# KiCad board 4-ch-backplane.kicad_pcb (continued)
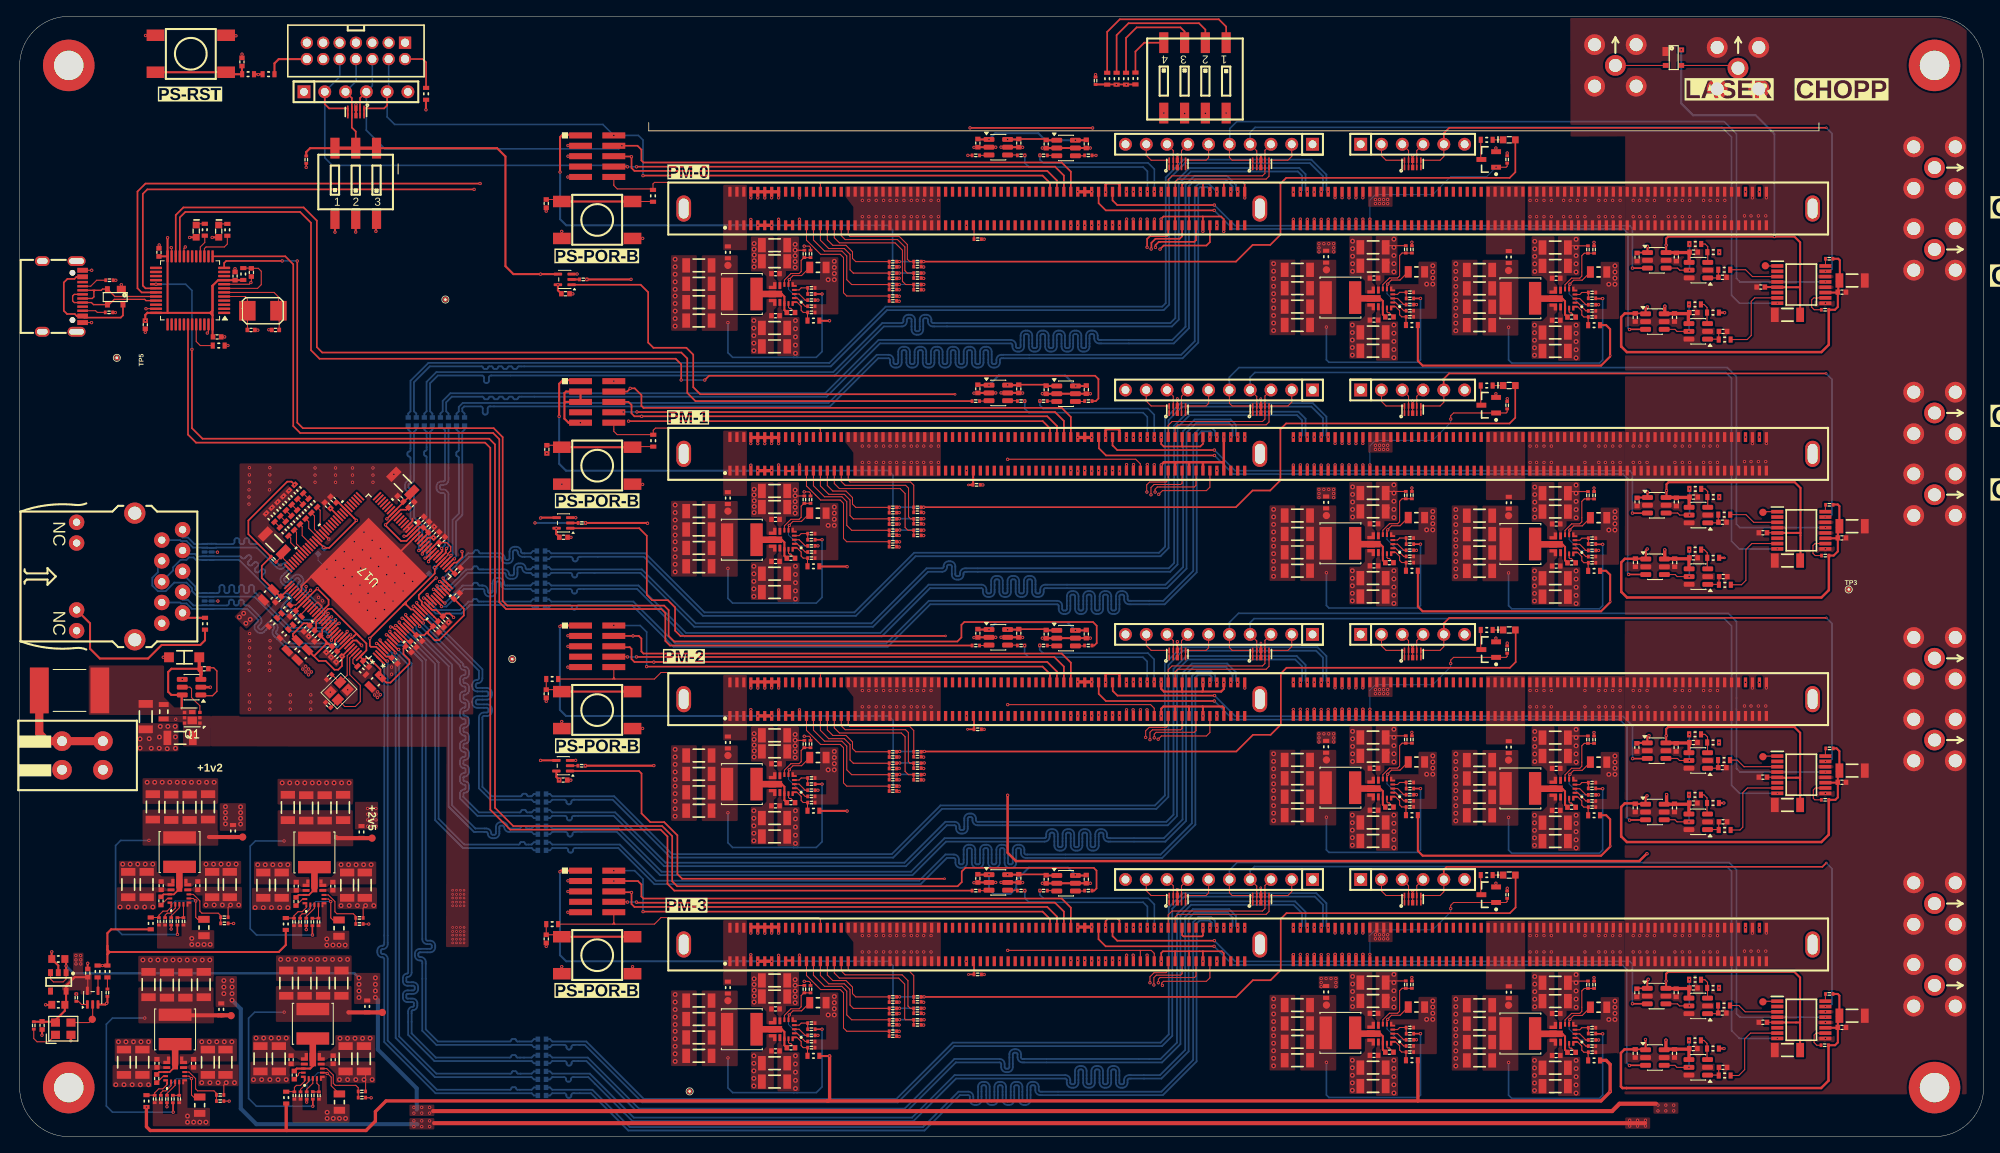
[diagram p0: board, top side]
## Nets (continued)
/TOP_LEVEL_IO/SPEEDY_PM__INST/PWR/PWR_VIN: C1.2 C3.2 C4.2 C6.2 C7.2 C8.2 C9.2 C10.2 C11.2 C12.2 C13.2 C14.2 C15.2 C16.2 C17.2 C18.2 C19.2 C20.2 C21.2 C22.2 C23.2 C24.2 C25.2 C26.2 C27.2 C35.2 C37.2 C38.2 C39.2 C40.2 C41.2 C42.2 C43.2 C47.2 C48.2 C50.2 C51.2 C52.2 C53.2 C54.2 C55.2 C56.2 C57.2 C58.2 C59.2 C60.2 C61.2 C62.2 C63.2 C64.2 C65.2 C66.2 C67.2 C74.2 C75.2 C84.2 C85.2 C114.2 C115.2 C126.2 C138.2 C228.2 C229.2 C230.2 C231.2 C232.2 C233.2 C234.2 C235.2 C236.2 C237.2 C238.2 C239.2 C240.2 C241.2 C242.2 C243.2 C244.2 C245.2 C273.2 C274.2 C275.2 C276.2 C277.2 C278.2 C279.2 C280.2 C281.2 C282.2 C283.2 C284.2 C285.2 C286.2 C287.2 C288.2 C289.2 C290.2 Q1.1 Q1.2 Q1.5 Q1.6 Q1.7 R37.2 R38.2 R39.2 R40.2 R41.2 R42.2 R43.2 R44.2 R48.2 R63.2 R127.2 R175.2 R176.2 R177.2 R213.2 R214.2 R215.2 U1.4 U2.8 U2.12 U3.8 U3.12 U18.8 U18.12 U19.8 U19.12 U20.8 U20.12 U21.8 U21.12 U22.8 U22.12 U23.8 U23.12 U24.8 U24.12 U25.8 U25.12 U30.8 U30.12 U31.8 U31.12 U32.8 U32.12 U36.8 U36.12 U37.8 U37.12 U38.8 U38.12
/TOP_LEVEL_IO/SPEEDY_PM__INST/PWR/TPS543620_BUCK_2V4/FB: R60.2 R123.1 U19.4
/TOP_LEVEL_IO/SPEEDY_PM__INST/PWR/TPS543620_BUCK_2V4/L+: C68.1 L4.1 U19.10 U19.13
/TOP_LEVEL_IO/SPEEDY_PM__INST/PWR/TPS543620_BUCK_2V4/L-: C76.2 C89.2 C98.2 C107.2 L4.2 R83.1 R123.2 TP7.1
/TOP_LEVEL_IO/SPEEDY_PM__INST/PWR/TPS543620_BUCK_2V4/MODE: R69.2 U19.2
/TOP_LEVEL_IO/SPEEDY_PM__INST/PWR/TPS543620_BUCK_5V0_CONN/FB: R59.1 R62.2 U21.4
/TOP_LEVEL_IO/SPEEDY_PM__INST/PWR/TPS543620_BUCK_5V0_CONN/L+: C92.1 L6.1 U21.10 U21.13
/TOP_LEVEL_IO/SPEEDY_PM__INST/PWR/TPS543620_BUCK_5V0_CONN/L-: C78.2 C91.2 C100.2 C109.2 L6.2 R59.2 R85.1 TP9.1
/TOP_LEVEL_IO/SPEEDY_PM__INST/PWR/TPS543620_BUCK_5V0_CONN/MODE: R88.2 U21.2
/TOP_LEVEL_IO/SPEEDY_PM__INST/PWR/TPS543620_BUCK_5V0_PGA/FB: R61.2 R81.1 U20.4
/TOP_LEVEL_IO/SPEEDY_PM__INST/PWR/TPS543620_BUCK_5V0_PGA/L+: C80.1 L5.1 U20.10 U20.13
/TOP_LEVEL_IO/SPEEDY_PM__INST/PWR/TPS543620_BUCK_5V0_PGA/L-: C77.2 C90.2 C99.2 C108.2 L5.2 R81.2 R82.1 TP8.1
/TOP_LEVEL_IO/SPEEDY_PM__INST/PWR/TPS543620_BUCK_5V0_PGA/MODE: R76.2 U20.2
/TOP_LEVEL_IO/SPEEDY_PM__INST/SPI_CS/MIO1: J7.14 R272.1 R273.1
/TOP_LEVEL_IO/SPEEDY_PM__INST/SPI_DQ0/BOOT_MODE[3]/MIO2: J7.15 R244.1 R248.1
/TOP_LEVEL_IO/SPEEDY_PM__INST/SPI_DQ1/BOOT_MODE[1]/MIO3: J7.13 R270.1 R271.1
/TOP_LEVEL_IO/SPEEDY_PM__INST/SPI_DQ2/BOOT_MODE[2]/MIO4: J7.12 R268.1 R269.1
/TOP_LEVEL_IO/SPEEDY_PM__INST/SPI_DQ3/BOOT_MODE[0]/MIO5: J7.17 R260.1 R261.1
/TOP_LEVEL_IO/SPEEDY_PM__INST/SPI_SCK/BOOT_MODE[4]/MIO6: J7.16 R252.1 R253.1
/TOP_LEVEL_IO/SPEEDY_PM__INST/SPI_SCLK_FB/VMODE[1]/MIO8: J7.18 R292.1 R293.1
/TOP_LEVEL_IO/SPEEDY_PM__INST/TRIGGER_IN_0: D6.1 D6.10 J7.51 J16.9
/TOP_LEVEL_IO/SPEEDY_PM__INST/TRIGGER_IN_1: D6.2 D6.9 J7.53 J16.8
/TOP_LEVEL_IO/SPEEDY_PM__INST/TRIGGER_OUT_0: D6.4 D6.7 J7.55 J16.7
/TOP_LEVEL_IO/SPEEDY_PM__INST/TRIGGER_OUT_1: D6.5 D6.6 J7.57 J16.6
/TOP_LEVEL_IO/SPEEDY_PM__INST/TTC0_IN: D5.5 D5.6 J7.209 J16.2
/TOP_LEVEL_IO/SPEEDY_PM__INST/TTC0_OUT: D5.4 D5.7 J7.208 J16.3
/TOP_LEVEL_IO/SPEEDY_PM__INST/UART_LS/RX_OUT: J7.206 R305.2
/TOP_LEVEL_IO/SPEEDY_PM__INST/UART_LS/TX_IN: J7.205 R300.2
/TOP_LEVEL_IO/TCK: D4.2 D4.9 J2.6 J7.194 J9.194 J11.194 J13.4 J15.4 J24.4 J35.194 J37.4 J40.4
/TOP_LEVEL_IO/TDI_0: D4.5 D4.6 J2.10 J7.193 J13.8 J24.2
/TOP_LEVEL_IO/TDI_1: J1.5 J7.192 J9.193 J13.6 J15.8 R318.1
/TOP_LEVEL_IO/TDI_2: J1.3 J9.192 J11.193 J15.6 J37.8 R319.1
/TOP_LEVEL_IO/TDI_3: J1.1 J11.192 J35.193 J37.6 J40.8 R320.1
/TOP_LEVEL_IO/TDO_3: J35.192 J40.6 R321.1
/TOP_LEVEL_IO/TDO_JTAG: D4.4 D4.7 J1.2 J1.4 J1.6 J2.8 J24.3 R321.2 U39.4 U40.4 U41.4
/TOP_LEVEL_IO/TMS: D4.1 D4.10 J2.4 J7.191 J9.191 J11.191 J13.2 J15.2 J24.5 J35.191 J37.2 J40.2
/TOP_LEVEL_IO/TXD_OUT_0: R304.1 U42.30
/TOP_LEVEL_IO/TXD_OUT_1: R309.1 U42.21
/TOP_LEVEL_IO/TXD_OUT_2: R313.1 U42.12
/TOP_LEVEL_IO/TXD_OUT_3: R317.1 U42.29
Net-(C154-1-Pad2): C154.2 R45.2 SW8.B
Net-(C168-1-Pad2): C168.2 C169.2 C172.2 C173.2 C174.2 C175.2 C176.2 C177.2 C178.2 FB2.2 U17.3 U17.14 U17.19 U17.30 U17.36 U17.41 U17.114 U17.119 U17.124
Net-(C170-1-Pad2): C170.2 R3.1 SW6.B
Net-(C171-1-Pad2): C171.2 R4.1 SW7.B
Net-(C179-1-Pad2): C179.2 C180.2 C181.2 C182.2 C183.2 C184.2 C185.2 C186.2 C187.2 FB3.2 U17.11 U17.23 U17.45 U17.48 U17.56 U17.71 U17.84 U17.104 U17.110
Net-(C188-1-Pad2): C188.2 C189.2 C190.2 C191.2 C192.2 C193.2 C194.2 FB1.2 U17.10 U17.22 U17.33 U17.44 U17.111 U17.122 U17.128
Net-(C222-1-Pad2): C222.2 R153.1 SW11.B
Net-(C267-1-Pad2): C267.2 R191.1 SW13.B
Net-(D14-PadC): D14.C R26.2
Net-(D15-PadC): D15.C R27.2
Net-(D18-PadC): D18.C R151.2
Net-(D21-PadC): D21.C R189.2
Net-(D34-PadC): D34.C R301.2
Net-(D35-PadC): D35.C R302.2
Net-(J6-VCC): J6.9 R96.1
Net-(Q4-D): Q4.3 R26.1
Net-(Q5-D): Q5.3 R27.1
Net-(Q6-D): Q6.3 R151.1
Net-(Q7-D): Q7.3 R189.1
Net-(R68-Pad2): R68.2 R71.1
Net-(R133-Pad2): R133.2 R141.1
Net-(R134-Pad2): R134.2 R142.1
Net-(R135-Pad2): R135.2 R143.1
Net-(R136-Pad2): R136.2 R144.1
Net-(R137-Pad2): R137.2 R145.1
Net-(R138-Pad2): R138.2 R146.1
Net-(R139-Pad2): R139.2 R147.1
Net-(R148-Pad1): R148.1 R149.2
Net-(SW1-A1): R235.1 SW1.1
Net-(SW1-A2): R236.1 SW1.3
Net-(SW1-A3): R237.1 SW1.5
Net-(SW1-A4): R238.1 SW1.7
Net-(U1-ANODE): C36.2 C127.2 D1.2 FU1.2 Q1.4 Q1.8 R127.1 U1.3 U1.6
Net-(U1-VCAP): C127.1 U1.1
Net-(U2-BOOT): C117.1 U2.14
Net-(U2-EN): R32.2 R44.1 U2.7
Net-(U2-PGOOD): R98.2 U2.3
Net-(U2-SYNC/FSEL): R75.2 R104.2 U2.1
Net-(U3-BOOT): C129.1 U3.14
Net-(U3-EN): R33.2 R48.1 U3.7
Net-(U3-PGOOD): R99.2 U3.3
Net-(U3-SYNC/FSEL): R87.2 R110.2 U3.1
Net-(U4-B): R231.2 U4.4 U43.5
Net-(U5-+): R17.2 R18.1 U5.3
Net-(U5--): C330.2 R227.2 U5.1
Net-(U5-OUT): R18.2 U5.5 U8.4
Net-(U7-+): R19.1 R20.2 U7.3
Net-(U7--): C331.2 R228.2 U7.1
Net-(U7-OUT): R19.2 U7.5 U9.4
Net-(U13-Y): R70.1 U13.4
Net-(U13-~{OE}): R16.1 U13.1
Net-(U17A-ISET): R150.2 U17.127
Net-(U17A-RESET_N): C72.2 R13.1 U17.95
Net-(U17A-XI): C252.2 U17.126 Y2.3
Net-(U17A-XO): C251.2 U17.125 Y2.1
Net-(U18-BOOT): C141.1 U18.14
Net-(U18-EN): R34.2 R63.1 U18.7
Net-(U18-PGOOD): R107.2 U18.3
Net-(U18-SYNC/FSEL): R94.2 R119.2 U18.1
Net-(U19-BOOT): C68.2 U19.14
Net-(U19-BP5): C31.2 R36.2 U19.6
Net-(U19-EN): R7.2 R37.1 U19.7
Net-(U19-PGOOD): R36.1 U19.3
Net-(U19-SYNC/FSEL): R24.2 R67.2 U19.1
Net-(U20-BOOT): C80.2 U20.14
Net-(U20-BP5): C32.2 R46.2 U20.6
Net-(U20-EN): R10.2 R38.1 U20.7
Net-(U20-PGOOD): R46.1 U20.3
Net-(U20-SYNC/FSEL): R25.2 R73.2 U20.1
Net-(U21-BOOT): C92.2 U21.14
Net-(U21-BP5): C33.2 R49.2 U21.6
Net-(U21-EN): R11.2 R39.1 U21.7
Net-(U21-PGOOD): R49.1 U21.3
Net-(U21-SYNC/FSEL): R86.2 R108.2 U21.1
Net-(U22-BOOT): C104.2 U22.14
Net-(U22-BP5): C34.2 R50.2 U22.6
Net-(U22-EN): R12.2 R40.1 U22.7
Net-(U22-PGOOD): R50.1 U22.3
Net-(U22-SYNC/FSEL): R93.2 R115.2 U22.1
Net-(U23-BOOT): C164.2 U23.14
Net-(U23-BP5): C44.2 R51.2 U23.6
Net-(U23-EN): R14.2 R41.1 U23.7
Net-(U23-PGOOD): R51.1 U23.3
Net-(U23-SYNC/FSEL): R116.2 R120.2 U23.1
Net-(U24-BOOT): C165.2 U24.14
Net-(U24-BP5): C45.2 R52.2 U24.6
Net-(U24-EN): R15.2 R42.1 U24.7
Net-(U24-PGOOD): R52.1 U24.3
Net-(U24-SYNC/FSEL): R121.2 R124.2 U24.1
Net-(U25-BOOT): C166.2 U25.14
Net-(U25-BP5): C46.2 R53.2 U25.6
Net-(U25-EN): R21.2 R43.1 U25.7
Net-(U25-PGOOD): R53.1 U25.3
Net-(U25-SYNC/FSEL): R125.2 R132.2 U25.1
Net-(U27-B): R233.2 U27.4 U45.5
Net-(U28-B): R163.2 U28.4 U29.5
Net-(U29-+): R163.1 R164.2 U29.3
Net-(U29--): C332.2 R229.2 U29.1
Net-(U30-BOOT): C246.2 U30.14
Net-(U30-BP5): C253.2 R181.2 U30.6
Net-(U30-EN): R175.1 R180.2 U30.7
Net-(U30-PGOOD): R181.1 U30.3
Net-(U30-SYNC/FSEL): R167.2 R169.2 U30.1
Net-(U31-BOOT): C247.2 U31.14
Net-(U31-BP5): C249.2 R182.2 U31.6
Net-(U31-EN): R176.1 R178.2 U31.7
Net-(U31-PGOOD): R182.1 U31.3
Net-(U31-SYNC/FSEL): R168.2 R170.2 U31.1
Net-(U32-BOOT): C248.2 U32.14
Net-(U32-BP5): C250.2 R183.2 U32.6
Net-(U32-EN): R177.1 R179.2 U32.7
Net-(U32-PGOOD): R183.1 U32.3
Net-(U32-SYNC/FSEL): R166.2 R171.2 U32.1
Net-(U33-B): R234.2 U33.4 U46.5
Net-(U34-B): R201.2 U34.4 U35.5
Net-(U35-+): R201.1 R202.2 U35.3
Net-(U35--): C333.2 R230.2 U35.1
Net-(U36-BOOT): C291.2 U36.14
Net-(U36-BP5): C296.2 R219.2 U36.6
Net-(U36-EN): R213.1 R218.2 U36.7
Net-(U36-PGOOD): R219.1 U36.3
Net-(U36-SYNC/FSEL): R205.2 R207.2 U36.1
Net-(U37-BOOT): C292.2 U37.14
Net-(U37-BP5): C294.2 R220.2 U37.6
Net-(U37-EN): R214.1 R216.2 U37.7
Net-(U37-PGOOD): R220.1 U37.3
Net-(U37-SYNC/FSEL): R206.2 R208.2 U37.1
Net-(U38-BOOT): C293.2 U38.14
Net-(U38-BP5): C295.2 R221.2 U38.6
Net-(U38-EN): R215.1 R217.2 U38.7
Net-(U38-PGOOD): R221.1 U38.3
Net-(U38-SYNC/FSEL): R204.2 R209.2 U38.1
Net-(U39-A): R318.2 U39.2
Net-(U40-A): R319.2 U40.2
Net-(U41-A): R320.2 U41.2
Net-(U42-RESET): C318.2 R140.1 U42.7
Net-(U42-RX_S): R302.1 U42.16
Net-(U42-TEST): R8.2 U42.44
Net-(U42-TX_S): R301.1 U42.15
Net-(U42-UD+): U42.33 U51.3 USB2.A6 USB2.B6
Net-(U42-UD-): U42.32 U51.2 USB2.A7 USB2.B7
Net-(U42-XI): C316.2 U42.5 X1.1
Net-(U42-XO): C317.2 U42.6 X1.2
Net-(U43-+): R22.2 R231.1 U43.3
Net-(U43--): C326.2 R193.2 U43.1
Net-(U44-+): R35.2 R232.1 U44.3
Net-(U44--): C327.2 R194.2 U44.1
Net-(U44-OUT): R232.2 U6.4 U44.5
Net-(U45-+): R165.2 R233.1 U45.3
Net-(U45--): C328.2 R225.2 U45.1
Net-(U46-+): R203.2 R234.1 U46.3
Net-(U46--): C329.2 R226.2 U46.1
Net-(U47-GAIN): R47.1 U47.10
Net-(U47-RSTSEL): R156.1 U47.16
Net-(U47-VREF): TP24.1 U47.1
Net-(U48-GAIN): R128.1 U48.10
Net-(U48-RSTSEL): R187.1 U48.16
Net-(U48-VREF): TP25.1 U48.1
Net-(U49-GAIN): R154.1 U49.10
Net-(U49-RSTSEL): R188.1 U49.16
Net-(U49-VREF): TP26.1 U49.1
Net-(U50-GAIN): R155.1 U50.10
Net-(U50-RSTSEL): R192.1 U50.16
Net-(U50-VREF): TP27.1 U50.1
Net-(U52-A): R303.2 U52.3
Net-(U52-B): R300.1 U52.4
Net-(U53-A): R305.1 U53.3
Net-(U53-B): R304.2 U53.4
Net-(U54-A): R308.2 U54.3
Net-(U54-B): R306.1 U54.4
Net-(U55-A): R307.1 U55.3
Net-(U55-B): R309.2 U55.4
Net-(U56-A): R312.2 U56.3
Net-(U56-B): R310.1 U56.4
Net-(U57-A): R311.1 U57.3
Net-(U57-B): R313.2 U57.4
Net-(U58-A): R316.2 U58.3
Net-(U58-B): R314.1 U58.4
Net-(U59-A): R315.1 U59.3
Net-(U59-B): R317.2 U59.4
Net-(USB2-CC1): R242.2 USB2.A5
Net-(USB2-CC2): R243.2 USB2.B5
Net-(Y1-OE): R23.1 Y1.1

Pads without a net: J2 12; J7 0 32 33 37 38 39 40 41 42 43 44 45 46 47 48 49 88 89 90 91 92 93 94 95 96 97 98 99 100 101 102 103 153 154 156 157 159 160 161 176 177 178 179 180 181 182 183 184 185 186 190 211 212 235 236 237 238 239 240 241 242 243 246 247; J9 0 32 33 37 38 39 40 41 42 43 44 45 46 47 48 49 88 89 90 91 92 93 94 95 96 97 98 99 100 101 102 103 153 154 156 157 159 160 161 176 177 178 179 180 181 182 183 184 185 186 190 211 212 235 236 237 238 239 240 241 242 243 246 247; J11 0 32 33 37 38 39 40 41 42 43 44 45 46 47 48 49 88 89 90 91 92 93 94 95 96 97 98 99 100 101 102 103 153 154 156 157 159 160 161 176 177 178 179 180 181 182 183 184 185 186 190 211 212 235 236 237 238 239 240 241 242 243 246 247; J13 7; J15 7; J35 0 32 33 37 38 39 40 41 42 43 44 45 46 47 48 49 88 89 90 91 92 93 94 95 96 97 98 99 100 101 102 103 153 154 156 157 159 160 161 176 177 178 179 180 181 182 183 184 185 186 190 211 212 235 236 237 238 239 240 241 242 243 246 247; J37 7; J40 7; M1 1; M2 1; M3 1; M4 1; U10 4; U17 46 52 53 54 55 58 59 60 61 62 65 66 75 76 87 88 91 92 93 94 96 97 99 100 108; U42 1 2 3 4 10 11 14 17 18 19 25 26 27 28 34 37 38 39 40 41 43 45 46; U47 2 6; U48 2 6; U49 2 6; U50 2 6; USB2 A8 B8

## Via types
v1: diameter 0.4, hole 0.2, Top Layer to Bottom Layer, 1243 vias
v2: diameter 0.6, hole 0.3, Top Layer to Bottom Layer, 599 vias
v3: diameter 0.3, hole 0.15, Top Layer to Bottom Layer, 73 vias
v4: diameter 0.3, hole 0.1, Top Layer to Bottom Layer, 1 via

## Routing (per net, layer and track width the routed paths; a pad name or vN(x,y) marks a point on that pad's centre or on a via; arc(x,y) is an arc through that point)
+1V2: length 23.1
  In1.Cu w1: v1(34.95,56.82) 33.97,55.85 28.4,55.85 27,54.45 v2(27,40.32)
  vias: v1(34.6,57.17) v1(34.95,57.53) v1(35.3,57.18) v1(35.3,56.47) v1(35.65,56.83) v2(25.15,40.35) v2(25.15,39.65) v2(25.15,38.95) v2(25.15,38.25) v2(27,39.62) v2(27,38.92) v2(27,38.22)
+1V8: length 877.2
  Top Layer w0.12: 122.04,91.9 C339.2 ; 132.88,128.68 R235.2 132.93,128.68 ; 198.93,108.88 v1(198.92,108.89) ; 125.48,61.91 C344.2 ; 136.91,22.78 138.29,22.78 138.65,22.42 J35.62 ; 136.91,22.78 120.68,22.78 ; 136.91,22.78 136.95,22.74 J35.60 ; 125.48,31.94 C348.2 ; 197.7,108.11 C82.2 ; v1(120.72,82.83) 120.74,82.84 136.38,82.84 136.95,82.28 J9.60 ; 125.33,122 C336.2 125.48,121.85 ; 222,104.59 222.27,104.86 ; 198.64,100.67 U4.1 ; 125.48,91.8 C340.2 ; 222,44.65 222.27,44.92 ; 222,14.67 222.27,14.95 ; 122.04,32.04 C347.2 ; 122.04,121.95 C335.2 ; 197.7,78.16 C93.2 ; v1(120.75,52.83) 138.2,52.83 138.65,52.39 J11.62 ; 198.66,70.69 U6.1 ; 222,74.54 222.27,74.81 ; 122.04,62.01 C343.2
  Top Layer w0.2: C268.2 198.64,10.67 U33.1 ; R238.2 132.93,128.68 ; C151.2 198.64,100.67 ; C335.2 125.33,122 ; C269.2 197.67,18.14 U34.1 ; 122.09,91.96 125.33,91.96 ; U8.1 197.7,108.11 ; 122.09,62.06 125.33,62.06 ; 122.09,32.07 125.33,32.07
  Top Layer w0.25: R47.2 221.83,101.12 222.18,101.47 C219.2 ; U54.6 122.04,91.9 ; C321.2 222.18,14.6 C320.2 222.38,17.25 222.18,17.45 R192.2 ; C321.2 222.18,11.52 221.85,11.18 R155.2 ; C321.2 222.14,13.31 U50.11 ; v1(198.68,11.88) 198.69,11.87 U33.1 ; C223.2 198.64,40.7 U27.1 198.69,41.51 v1(198.87,41.69) ; v1(120.73,121.95) 122.04,121.95 ; C156.2 198.66,70.69 ; U59.1 125.48,31.94 ; 221.59,77.31 222.18,77.31 222.38,77.11 222.38,74.64 222.19,74.45 222.19,73.22 222.14,73.17 220.67,73.17 ; 197.7,78.16 U9.1 v1(198.93,78.82) ; v1(198.89,71.87) 198.71,71.69 U6.1 ; 220.72,103.22 222.19,103.22 222.24,103.27 222.24,104.5 222.43,104.69 222.43,107.16 222.23,107.36 221.64,107.36 ; R154.2 221.88,41.19 222.18,41.49 C319.2 ; v1(199.01,19.25) 198.9,19.14 U34.1 ; U8.1 198.93,108.88 ; R128.2 221.68,71.06 222.18,71.57 C221.2 ; R6.2 132.88,128.68 ; v1(199.11,49.04) 198.9,48.84 U28.1 197.67,48.15 C224.2 ; C319.2 222.14,43.29 U49.11 ; C319.2 222.18,44.57 C266.2 222.38,47.14 222.04,47.48 R188.2 ; v1(120.73,32.04) 122.04,32.04 ; U56.6 122.04,62.01 ; v1(198.92,101.47) 198.69,101.24 U4.1 ; U53.1 125.48,121.85 ; U57.1 125.48,61.91 ; U55.1 125.48,91.8
  Top Layer w0.3: 221.07,41.2 221.07,36.92 220.18,36.03 196.4,36.03 195.74,36.69 195.7,36.69 195.7,40.31 196.14,40.75 197.42,40.75 197.43,40.76 ; 221.08,71.11 221.08,66.84 220.19,65.94 196.42,65.94 195.75,66.6 195.71,66.6 195.71,70.22 196.15,70.66 197.43,70.66 197.44,70.67 ; v1(198.87,34.6) 198.82,34.6 197.93,33.7 121.75,33.7 120.73,34.72 v1(120.73,41.75) ; C151.2 197.42,100.67 196.14,100.67 195.7,100.23 195.7,96.61 195.74,96.61 196.4,95.94 220.18,95.94 221.07,96.84 R47.2 ; 197.39,10.68 197.39,10.67 196.12,10.67 195.68,10.23 195.68,6.13 195.86,5.95 196.37,5.95 196.38,5.94 220.14,5.94 221.05,6.84 221.05,11.12
  Top Layer w0.5: 198.62,1.65 50.65,1.65
  In1.Cu w0.4: v1(135.24,128.64) v1(134.01,128.64) 122.43,128.64 120.73,126.95 v1(120.73,121.95) v1(120.73,91.93) 120.73,81.51 ; v1(198.92,108.89) v1(198.92,101.47) 198.92,88.54 199.85,87.6 199.85,79.75 v1(198.93,78.82) 198.89,78.79 v1(198.89,71.87) 198.89,58.57 199.62,57.84 199.62,49.56 v1(199.11,49.04) 198.87,48.8 v1(198.87,41.69) v1(198.87,34.6) 198.87,28.64 200.29,27.22 200.29,20.52 v1(199.01,19.25) 198.68,18.91 v1(198.68,11.88) 198.68,2.07 ; 120.73,81.51 v1(120.73,61.98) v1(120.73,41.75) v1(120.73,32.04) 120.73,22.05 120.11,21.43 v1(115.66,21.43) ; 120.73,81.51 120.67,81.45 v1(115.7,81.45) ; v1(115.69,111.45) 120.67,111.45 ; v1(115.71,51.46) 120.68,51.46
  In1.Cu w1: v2(24.95,19.09) 14.88,19.09 10.25,23.72 10.25,40.25 15.53,45.53 24.03,45.53 24.9,46.4 24.9,60.82 28.88,64.8
  Bottom Layer w0.5: v2(25.95,16.69) 27.03,15.61 27.03,3.42 28.93,1.53 48.62,1.53
  vias: v1(48.18,1.93) v1(48.18,1.22) v1(49.14,1.93) v1(49.14,1.22) v1(50.1,1.93) v1(50.1,1.22) v1(120.75,22.78) v1(196.75,2) v1(196.75,1.3) v1(197.71,2) v1(197.71,1.3) v1(198.68,2) v1(198.68,1.3) v2(24.95,18.29) v2(24.95,17.49) v2(25.95,19.09) v2(25.95,18.29) v2(25.95,17.49) v2(26.85,63.53) v2(27.38,64) v2(27.65,62.78) v2(28.18,63.25)
+2V5: length 13.9
  In1.Cu w1: 42.4,40.43 42.4,52.45 43.65,53.7 v1(43.72,53.7)
  vias: v1(42.51,40.13) v1(42.53,39.44) v1(42.53,38.73) v1(42.53,37.96) v1(43.04,40.13) v1(43.06,39.44) v1(43.06,38.73) v1(43.06,37.96) v1(43.38,54.01) v1(43.53,40.13) v1(43.54,39.44) v1(43.54,38.73) v1(43.54,37.96) v1(43.74,54.39) v1(44.07,54.04)
+3v3: length 606.7
  Top Layer w0.12: 17.04,107.65 C313.2 ; 27.3,104.74 R140.2 ; 117.14,91.9 C341.2 ; 23.63,99.27 U42.48 ; 25.01,104.77 U42.9 ; 130.29,61.91 C346.2 ; 49.65,126.78 R112.1 ; 117.14,121.95 C337.2 ; 23.55,109.98 v1(23.53,109.96) ; C150.2 8.33,17.89 U13.5 8.21,17.9 ; 4.28,14.05 Y1.4 ; 117.14,32.04 C349.2 ; 130.29,91.8 C342.2 ; 130.29,121.85 C338.2 ; 130.29,31.94 C350.2 ; 5.67,16.28 C71.2 ; 117.14,62.01 C345.2
  Top Layer w0.25: 23.28,100.74 23.57,100.45 ; 23.28,100.74 23.56,101.02 23.56,104.05 ; 23.28,100.74 18.1,100.74 ; 23.57,100.45 U42.48 ; 23.57,100.45 23.57,104.04 23.56,104.05 ; 23.57,99.22 23.57,97.86 C314.2 ; v1(49.65,125.57) 49.65,126.78 ; U42.24 17.04,107.65 ; U42.24 v1(18.07,109.92) ; U42.24 18.07,100.77 18.1,100.74 ; 65.98,73.29 65.56,73.71 v1(65.56,74.39) ; 18.1,100.74 U42.36 15.62,100.74 15.62,100.75 15.35,100.49 v1(15.35,99.79) ; C309.2 65.78,103.5 v1(65.78,104.18) ; 5.67,16.28 U10.5 5.67,18.45 6.72,19.5 C150.2 ; U59.6 130.29,31.94 ; v1(118.46,62.01) 117.14,62.01 ; v1(118.46,91.9) 117.14,91.9 ; U55.6 v1(129.06,91.8) 130.29,91.8 ; v1(118.46,32.04) 117.14,32.04 ; D34.A 23.55,109.98 ; 23.56,104.05 24.25,104.74 U42.9 27.3,104.74 ; Y1.4 4.38,14.25 5.53,15.4 C71.2 ; 66.01,43.56 v1(65.92,43.65) 65.59,43.98 65.59,44.66 ; v1(129.01,121.85) 130.29,121.85 ; v1(129.01,61.91) 130.29,61.91 ; J6.13 8.6,62.77 8.6,59.67 9.8,58.47 15.7,58.47 17.35,60.12 22.07,60.12 22.65,60.7 R96.2 ; v1(118.46,121.95) 117.14,121.95 ; 21.57,109.98 20.8,109.98 ; R23.2 4.28,14.05
  In1.Cu w0.12: 10.41,109.96 10.29,110.08
  In1.Cu w0.25: J6.13 2.96,64.41 ; 10.32,99.79 10.29,99.76
  In1.Cu w0.4: v1(49.65,125.57) 35.18,125.57 34.75,126 J24.1 ; v1(49.65,125.57) 117.1,125.57 118.47,124.2 118.47,121.97 v1(118.46,121.95) 118.46,120.95 118.46,120.95 118.46,119.74 117.44,118.73 115.66,118.73 114.5,117.56 114.5,98.24 113.24,96.98 113.24,91.84 ; v1(49.65,125.57) 49.65,109.97 49.62,109.95 51.4,108.17 70.3,108.17 70.8,107.67 70.8,104.62 70.35,104.18 v1(65.78,104.18) 65.18,103.58 65.18,74.78 v1(65.56,74.39) 65.18,74 65.18,48.55 66.2,47.53 70.22,47.53 70.88,46.88 70.88,43.17 70.25,42.55 66.38,42.55 65.92,43 v1(65.92,43.65) ; v1(118.46,32.04) 114.43,32.04 112.16,34.31 112.16,62.02 ; 118.59,62.01 v1(118.46,62.01) 112.61,62.01 112.6,62.02 112.16,62.02 ; 113.24,91.84 113.24,65.79 112.16,64.71 112.16,62.02 ; 113.24,91.84 113.29,91.9 v1(118.46,91.9) ; v1(15.35,99.79) 10.32,99.79 ; v1(23.53,109.96) 10.41,109.96
  In1.Cu w1: 7.19,22.18 7.19,24.53 6.55,25.18 4.22,25.18 2.92,26.47 2.92,86.08 10.29,93.45 10.29,121.32 16.75,127.77 J24.1 34.55,127.58
  Bottom Layer w0.25: v1(118.46,62.01) 119.35,62.91 128.02,62.91 v1(129.01,61.91) ; v1(129.06,91.8) 127.78,93.08 119.64,93.08 v1(118.46,91.9) ; v1(129.01,121.85) 125.34,121.85 124.49,122.71 119.22,122.71 v1(118.46,121.95) ; v1(129,32.01) 128.12,32.89 123.31,32.89 121.78,31.36 121.78,30.4 121.06,29.67 119.03,29.67 118.46,30.24 v1(118.46,32.04)
  vias: v1(6.88,22.15) v1(6.89,21.62) v1(6.89,21.12) v1(7.45,22.15) v1(7.47,21.62) v1(7.47,21.12) v1(20.78,109.96)
+5V: length 519.7
  Top Layer w0.12: 202.4,78.16 C105.2 ; 204,10.7 204.05,10.75 ; U50.5 214.76,13.99 213.43,13.99 ; U10.3 3.78,19.28 4.12,18.92 5.33,18.92 5.67,19.28 U10.1 ; 203.99,40.65 204.04,40.7 ; 202.18,40.65 C225.2 ; U49.5 214.76,43.96 213.43,43.96 ; 214.76,103.9 214.79,103.88 ; 202.35,100.6 202.3,100.65 201.11,100.65 201.04,100.72 ; 201.18,18.11 202.37,18.11 202.42,18.06 ; 213.43,73.85 214.76,73.85 214.79,73.82 ; 204.02,78.17 204.07,78.22 ; 203.97,100.7 204.02,100.76 C322.2 203.99,100.74 ; 201.04,101.55 v1(201.05,101.56) ; 202.43,70.62 202.38,70.67 201.19,70.67 ; 202.44,48.09 202.39,48.14 201.19,48.14 ; 201.19,10.7 202.38,10.7 202.43,10.65 ; 203.99,10.74 C325.2 ; U8.6 202.4,108.11 C83.2 ; 204.01,108.11 C153.2 ; 203.99,40.76 C324.2 ; 204,70.67 204.05,70.72 ; 203.99,48.15 C227.2 ; 201.2,78.17 202.4,78.17 202.45,78.12 ; 201.18,40.65 202.37,40.65 202.42,40.6 ; 202.2,70.64 C157.2 ; 204.01,78.16 C167.2 ; 202.18,10.62 C270.2 ; 5.67,21.57 C70.2 ; 202.38,18.14 C271.2 ; 202.38,48.15 C226.2 ; 217.56,103.88 217.57,103.86 ; 204.01,48.14 204.06,48.19 ; 204.01,70.75 C323.2 ; 203.99,18.14 C272.2 ; 203.99,18.11 204.04,18.16 ; 202.18,100.62 C152.2
  Top Layer w0.25: 217.58,40.52 217.58,49.39 216.88,50.09 201.45,50.09 201.2,49.84 201.2,48.13 ; 213.43,103.9 214.76,103.9 ; 214.83,73.83 217.6,73.83 ; 201.19,18.2 201.19,19.91 201.44,20.16 216.87,20.16 217.57,19.46 217.57,10.59 ; 201.25,78.07 201.25,79.78 201.49,80.03 216.92,80.03 217.62,79.33 217.62,70.46 ; 217.55,13.96 214.78,13.96 ; 217.56,103.88 214.79,103.88 ; 214.79,43.89 217.56,43.89 ; U10.1 5.67,21.57 ; C2.2 217.57,109.37 216.88,110.07 v1(214.43,110.07) 201.44,110.07 201.2,109.83 v1(201.2,109.02) U8.6
  Top Layer w0.4: v1(201.18,11.8) 201.18,10.71 201.19,10.7 204,10.7 ; C322.2 203.92,100.67 203.92,99.45 ; 204.02,76.97 204.02,78.17 ; 204.02,78.17 201.2,78.17 ; 204.02,78.17 204.07,78.22 ; 204,10.7 204.05,10.75 ; 204,10.7 204,9.5 ; 201.04,100.72 201.04,101.55 ; 201.18,40.65 203.99,40.65 ; 203.99,40.65 204.04,40.7 ; 203.99,40.65 U45.4 ; 204.01,108.11 C153.2 ; 204.01,108.11 U5.4 ; 204.01,108.11 U8.6 ; 204.01,46.94 204.01,48.14 ; 204.01,48.14 204.06,48.19 ; 204.01,48.14 201.19,48.14 ; 201.19,70.67 204,70.67 ; 204,70.67 204.05,70.72 ; 204,70.67 204,69.47 ; 203.99,18.11 204.04,18.16 ; 203.99,18.11 203.99,16.91 ; 203.99,18.11 201.18,18.11 ; v1(201.04,71.76) 201.04,70.67 ; v1(201.25,41.83) 201.25,40.74 ; 203.97,100.7 203.92,100.65 201.11,100.65
  Top Layer w0.5: 50.53,3.12 194.6,3.12 195.5,4.03 199.98,4.03
  In1.Cu w0.4: v1(201.2,109.02) 201.25,108.98 v1(201.25,78.99) 201.24,78.98 201.24,49.06 v1(201.2,49.03) 201.27,48.96 201.27,19.11 v1(201.19,19.03) 201.19,11.82 v1(201.18,11.8) 201.18,3.67
  Bottom Layer w0.25: v1(203.05,132.9) 203.05,126.35 204.5,124.9 212.15,124.9 214.43,122.62 v1(214.43,110.07)
  Bottom Layer w0.3: v1(5.67,20.88) 6.58,19.97 40.91,19.97 v2(41.47,19.42)
  Bottom Layer w0.5: 48.53,3.3 48.53,5.9 43.78,10.65 43.78,16.71 v2(43.47,17.02)
  vias: v1(48.18,3.58) v1(48.18,2.88) v1(49.14,3.58) v1(49.14,2.88) v1(50.1,3.58) v1(50.1,2.88) v1(200.2,3.85) v1(200.2,3.15) v1(201.16,3.85) v1(201.16,3.15) v1(202.12,3.85) v1(202.12,3.15) v2(41.47,18.62) v2(41.47,17.82) v2(41.47,17.02) v2(43.47,19.42) v2(43.47,18.62) v2(43.47,17.82)
+12v: length 13.9
  Top Layer w0.12: 2.55,56.52 2.9,56.17
  Top Layer w1: FU1.1 2.4,49.28 3.31,48.37 J3.1 J3.1
/TOP_LEVEL_IO/NET_SWITCH/+1V8_ETH: length 48.2
  Top Layer w0.12: 31.83,66.05 C197.2 ; 33.04,67.17 U17.98 33.07,67.17 ; 48,74.07 U17.49
  Top Layer w0.2: v1(46.97,73.42) 47.28,73.42 U17.49 48.72,74.87 C196.2 ; v1(44.88,75.55) 44.88,75.55 U17.57 47.92,78.59 C49.2 ; 33.07,67.17 C197.2 ; U17.74 39.05,75.78 v1(38,76.82) C198.2 ; v1(33.61,79.71) 33.22,80.1 32.7,80.1 27.95,75.35 27.95,73.67 R13.2 29.59,69.8 29.59,68.3 FB4.2 31.83,66.05
  In1.Cu w0.2: v1(46.97,73.42) 44.88,75.53 v1(44.88,75.55) 43.25,77.17 41.95,77.17 40.15,75.38 39.45,75.38 v1(38,76.82) 34.62,80.2 34.1,80.2 33.55,79.65 v1(33.61,79.71)
/TOP_LEVEL_IO/USB_UART_4CH/VBUS: length 15.2
  Top Layer w0.12: 7.57,105.03 USB2.A4B9
  Top Layer w0.2: U51.4 12.63,100.43 12.35,100.16 7.88,100.16 USB2.B4A9 6.98,100.35 6.73,100.6 5.8,100.6 5.39,101 5.39,104.45 5.84,104.89 6.7,104.89 6.95,105.15 USB2.A4B9
GND: length 258.7
  Top Layer w0.12: U42.8 28.06,104.24 v1(28.26,104.45) 28.31,104.5 C318.1 ; v1(155.65,115.5) J7.220 ; v1(22.94,98.27) 23.07,98.41 U42.47 ; 151.68,60.36 v3(151.69,60.37) ; v1(20.25,108.8) 20.07,108.63 U42.20 ; v1(155.65,25.59) 155.65,25.64 ; v1(155.65,55.56) 155.65,55.61 ; v1(95.88,108.9) 96.47,108.9 96.64,108.73 R11.1 ; 126.73,120.89 U53.2 ; 41.98,26 42.65,26 ; 126.73,30.98 U59.2 ; 42.28,4.76 42.95,4.76 ; v1(170.23,60.03) D10.8 D10.3 ; 155.65,21.45 J35.76 ; R33.1 26.14,26.08 v1(26.15,26.07) ; 15.45,101.26 16.66,101.26 ; v1(95.88,48.96) 96.47,48.96 96.64,48.79 R179.1 ; D22.3 D22.8 v1(170.23,30.05) ; 107.51,106.36 R248.2 ; 16.78,101.26 16.79,101.27 ; 162.45,21.45 J35.84 ; 107.51,46.42 R250.2 ; 161.6,21.45 J35.83 ; D2.3 D2.8 v1(170.23,119.97) ; 170.1,79.36 170.14,79.32 R14.1 ; 192.39,78.89 192.39,79.3 ; v1(95.88,78.85) 96.47,78.85 96.64,78.68 R21.1 ; 170.1,49.47 170.14,49.43 R180.1 ; R7.1 170.14,109.37 170.1,109.41 ; 192.39,19.03 192.39,19.44 ; v1(170.23,89.92) D8.8 D8.3 ; 192.39,49.01 192.39,49.42 ; 170.1,19.49 170.14,19.45 R218.1 ; v1(89.35,112.16) J7.4 ; U17.107 36.37,65.35 36.47,65.35 36.93,64.9 36.93,64.77 U17.109 ; D6.8 D6.3 ; 107.51,76.31 R249.2 ; v1(8.79,99.55) 7.67,99.55 ; 126.73,60.95 U57.2 ; 164.14,21.46 J35.86 ; 45.88,70.9 v1(45.04,70.9) ; v1(8.81,105.95) USB2.A1B12 ; U42.23 18.57,108.67 v1(18.53,108.72) ; U17.81 37.07,73.78 ; R217.1 96.64,18.82 96.47,18.99 v1(95.88,18.99) ; D9.8 D9.3 ; v1(89.35,82.11) 89.35,81.4 ; 163.3,21.45 J35.85 ; v1(89.35,22.25) 89.35,21.54 ; 160.75,21.45 J35.82 ; 24.93,4.35 25.6,4.35 ; v1(89.35,52.22) 89.35,51.51 ; 2.74,12.42 v1(2.72,12.4) ; 126.73,90.84 U55.2 ; 107.51,16.45 R251.2 ; 192.39,108.94 192.39,109.35
  Top Layer w0.2: J7.216 147.15,116.72 147.14,116.73 ; J9.213 v3(144.6,84.91) 144.6,84.72 144.27,84.4 142.06,84.4 ; 141.2,112.52 142.88,112.52 ; 141.2,112.52 139.77,112.52 139.5,112.24 J7.63 ; 141.2,112.52 141.2,112.51 J7.65 ; 142.88,112.52 144.57,112.52 ; 142.88,112.52 142.9,112.51 J7.67 ; v3(151.67,30.44) 151.68,30.43 D23.8 D23.3 ; 48,75.57 48,75.28 U17.51 U17.50 ; v1(141.48,60.52) D19.8 D19.3 ; J35.72 147.15,22.43 146.9,22.67 144.6,22.67 ; U17.123 40.75,60.67 41.2,60.67 v1(41.78,60.1) ; v1(139.5,21.45) 139.5,22.45 139.71,22.67 141.2,22.67 ; U17.101 34.44,66.81 34.44,67.29 35.65,68.5 36.13,68.5 ; v1(144.6,21.45) 144.6,21.45 144.6,22.67 ; 147.14,116.73 149.45,116.73 149.7,116.49 J7.219 ; 147.14,116.73 144.56,116.73 ; J7.213 144.6,116.7 144.56,116.73 ; 144.6,22.67 142.89,22.67 ; 151.68,88.4 151.68,89.86 151.67,89.87 v3(151.67,90.25) ; D6.8 v1(141.48,120.03) ; 144.56,116.73 142.36,116.73 142.05,116.42 J7.210 ; 142.89,22.67 142.9,22.67 J35.67 ; 142.89,22.67 141.2,22.67 ; D5.3 D5.8 151.68,119.98 v3(151.67,119.99) ; 141.2,22.67 141.2,22.66 J35.65 ; U17.47 45.88,70.9 ; v3(141.48,90.28) D12.8 D12.3 ; J7.72 147.15,112.2 146.82,112.52 144.57,112.52 ; J9.210 142.05,84.41 142.06,84.4 ; J35.201 134.4,26.44 134.19,26.65 133,26.65 132.7,26.36 v1(132.7,25.59) ; 142.06,84.4 139.81,84.4 139.5,84.7 v1(139.5,85.5) ; J7.69 144.6,112.5 144.57,112.52 ; J35.210 142.05,24.65 142.2,24.49 144.49,24.49 144.6,24.6 v1(144.6,25.55) ; D24.3 D24.8 v1(141.48,30.19) ; 37.07,73.78 v1(37.78,73.07) ; D11.3 151.68,60.36